# Altium PCB main - Copy.PcbDoc (part 2 of 14) (continued)
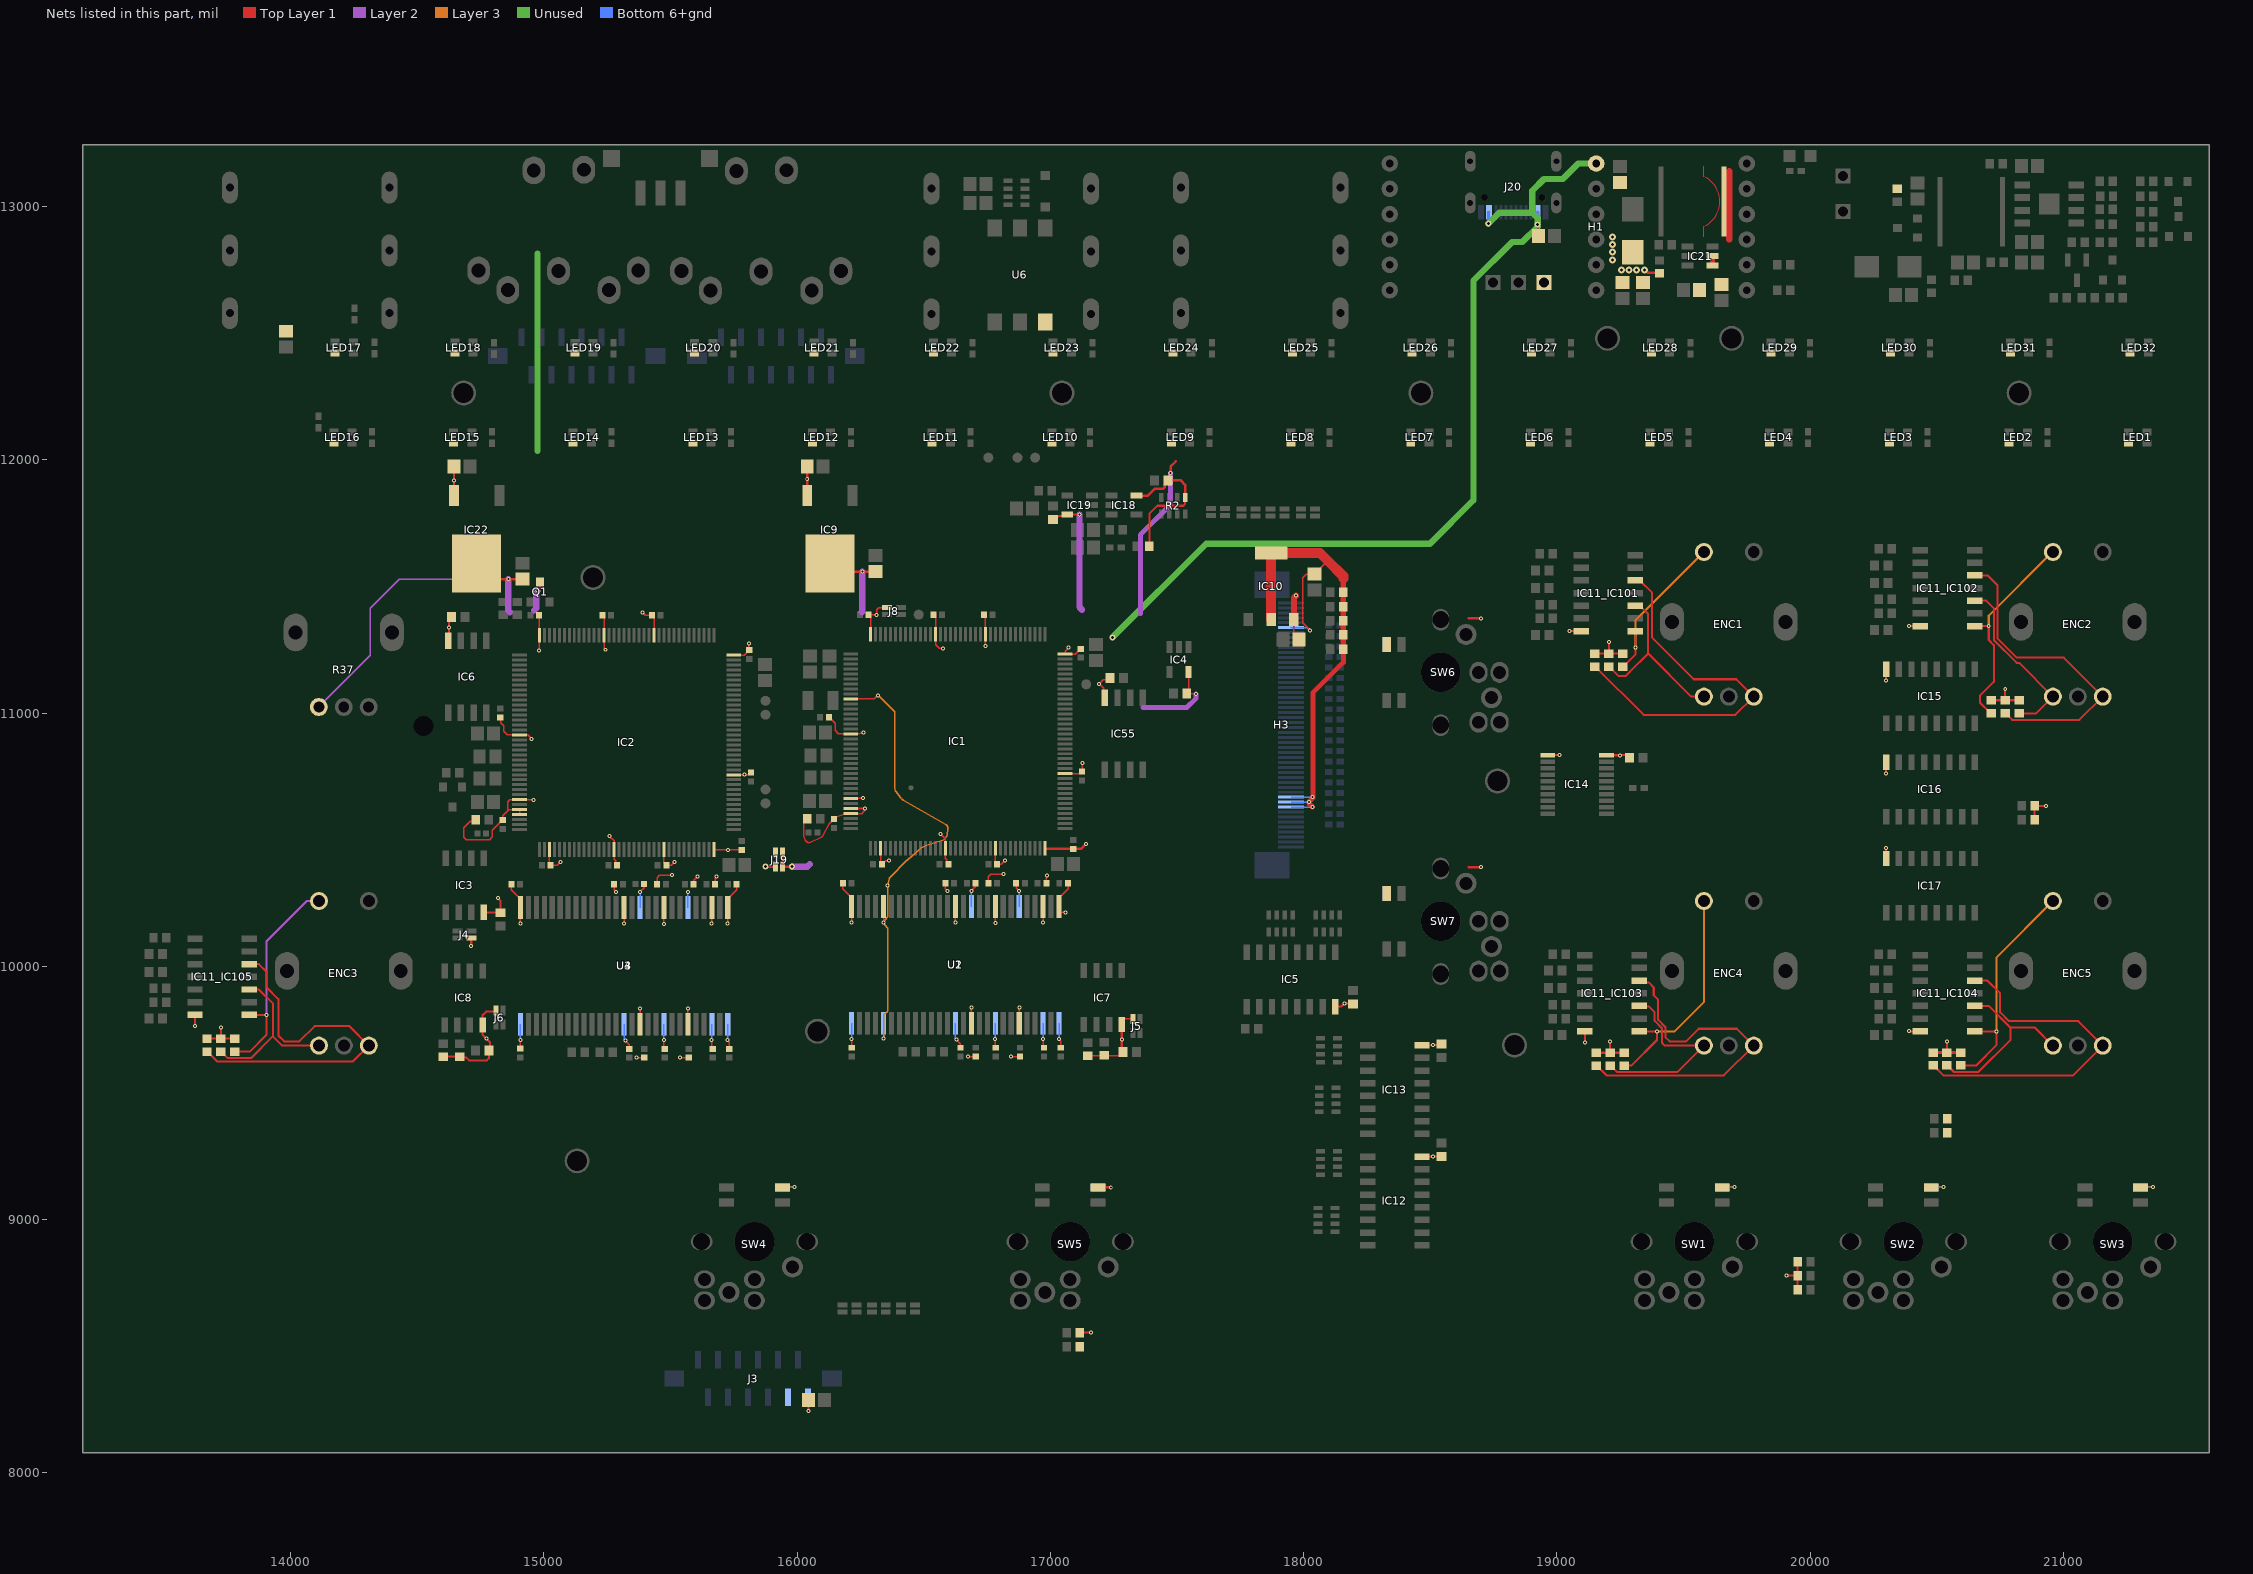
[diagram p6: the nets of this part, all layers, seen from the top]
## Part data (continued)
LED1 LED2 LED3 LED4 LED5 LED6 LED7 LED8 LED9 LED10 LED11 LED12 LED13 LED14 LED15 LED16 LED17 LED18 LED19 LED20 LED21 LED22 LED23 LED24 LED25 LED26 LED27 LED28 LED29 LED30 LED31 LED32: "Address LED"
PJ1 PJ2 PJ3: "6.3mm jack HOOYA"
Q1 Q2 Q4 Q5 Q6: "TRANS NPN 40V 0.2A SOT23-3", Current - Collector (Ic) (Max)="200 mA", Current - Collector Cutoff (Max)="50nA (ICBO)", DC Current Gain (hFE) (Min) @ Ic, Vce="100 @ 10mA, 1V", Frequency - Transition=300MHz, Manufacturer="Diodes Incorporated", Operating Temperature="-55°C ~ 150°C (TJ)", Package / Case="TO-236-3, SC-59, SOT-23-3", Power - Max="300 mW", Supplier Device Package=SOT-23-3, Supplier Part Number 1=MMBT3904-FDICT-ND, Voltage - Collector Emitter Breakdown (Max)="40 V", ComponentLink1Description=Datasheet, ComponentLink1URL=https://www.diodes.com/assets/Datasheets/ds30036.pdf, ComponentLink2Description="DigiKey Link", ComponentLink2URL=https://www.digikey.com/en/products/detail/diodes-incorporated/MMBT3904-7-F/814494, LastUpdated="2/8/2024 9:54:04 PM", Lifecycle Status=Active, Minimum Order=1, Mounting Type="Surface Mount", Packaging=TapeAndReel, Part Number=MMBT3904-7-F, Part Status=Active, PartId=85, Price=0.01, Series=-, Supplier 1=DigiKey, Transistor Type=NPN, Vce Saturation (Max) @ Ib, Ic="300mV @ 5mA, 50mA"
Q3: library part MMBT3906
R1 R2 R3 R4 R73 R74 R75 R77: "RES ARRAY 4 RES 100 OHM 1206", Manufacturer=Yageo, Number of Resistors=4, Operating Temperature="-55°C ~ 155°C", Package / Case="1206 (3216 Metric), Convex, Long Side Terminals", Power Per Element=62.5mW, Resistance (Ohms)=100, Supplier Part Number 1=YC164J-100CT-ND, Temperature Coefficient=±200ppm/°C, Tolerance=±5%, Applications="DDRAM, SDRAM", Circuit Type=Isolated, ComponentLink1Description=Datasheet, ComponentLink1URL=https://www.yageo.com/upload/media/product/productsearch/datasheet/rchip/PYu-YC_TC_group_51_RoHS_L_9.pdf, ComponentLink2Description="DigiKey Link", ComponentLink2URL=http://digikey.com/product-detail/en/yageo/YC164-JR-07100RL/YC164J-100CT-ND/1005656, Height - Seated (Max)="0.028\" (0.70mm)", LastUpdated="9/2/2020 1:23:24 AM", Lifecycle Status=Active, Minimum Order=1, Mounting Type="Surface Mount", Number of Pins=8, Packaging=TapeAndReel, Part Number=YC164-JR-07100RL, Part Status=Active, PartId=239, Price=0.01, Series=YC164, Size / Dimension="0.126\" L x 0.063\" W (3.20mm x 1.60mm)", Supplier 1=DigiKey
R5 R6 R7 R9 R10 R11 R12 R17 R19 R21 R38 R46 R47_IC101 R47_IC102 R47_IC103 R47_IC104 R47_IC105 R48_IC101 R48_IC102 R48_IC103 R48_IC104 R48_IC105 R49_IC101 R49_IC102 R49_IC103 R49_IC104 R49_IC105 R50 R72 R78 R79 R80 R81 R82 R83 R84 R85 R86 R106 R107 R109 R133 R134: library part ERJ-3EKF1002V, "RES SMD 10K OHM 1% 1/10W 0603", Device Package="0603 (1608 Metric)", Manufacturer="Panasonic Electronic Components", Operating Temperature="-55°C ~ 155°C", Power (Watts)="0.1W, 1/10W", Ratings=AEC-Q200, Supplier Device Package=0603, Supplier Part Number 1=P10.0KHCT-ND, Temperature Coefficient=±100ppm/°C, Tolerance=±1%, ComponentLink1Description=Datasheet, ComponentLink1URL=https://industrial.panasonic.com/cdbs/www-data/pdf/RDA0000/AOA0000C304.pdf, ComponentLink2Description="DigiKey Link", ComponentLink2URL=https://www.digikey.com/en/products/detail/panasonic-electronic-components/ERJ-3EKF1002V/196066, Composition="Thick Film", Features="Automotive AEC-Q200", Height - Seated (Max)="0.022\" (0.55mm)", LastUpdated="2/9/2024 8:41:59 PM", Lifecycle Status=Active, Minimum Order=1, Number of Terminations=2, Package / Case="0603 (1608 Metric)", Packaging=TapeAndReel, Part Number=ERJ-3EKF1002V, Part Status=Active, PartId=25695, Price=0.01, Resistance="10 kOhms", Series=ERJ-3EK, Size / Dimension="0.063\" L x 0.031\" W (1.60mm x 0.80mm)", Supplier 1=DigiKey
R8 R76 R87 R88 R89 R90 R91 R92 R93 R94 R95 R96 R97 R98 R99 R100 R101 R108 R110 R111 R112 R113 R114 R115 R116 R117 R118 R119 R120 R121 R122 R123 R124 R132: library part CRCW0402100RFKEE, "RES SMD 100 OHM 1% 1/16W 0402", Device Package="0402 (1005 Metric)", Manufacturer="Vishay Dale", Operating Temperature="-55°C ~ 155°C", Power (Watts)="0.063W, 1/16W", Ratings=AEC-Q200, Supplier Device Package=0402, Supplier Part Number 1=541-2953-1-ND, Temperature Coefficient=±100ppm/°C, Tolerance=±1%, ComponentLink1Description=Datasheet, ComponentLink1URL=http://www.vishay.com/docs/20035/dcrcwe3.pdf, ComponentLink2Description="DigiKey Link", ComponentLink2URL=https://www.digikey.com/en/products/detail/vishay-dale/CRCW0402100RFKEE/5069886, Composition="Thick Film", Features="Automotive AEC-Q200", Height - Seated (Max)="0.016\" (0.40mm)", LastUpdated="2/9/2024 8:30:05 PM", Lifecycle Status=Active, Minimum Order=1, Number of Terminations=2, Package / Case="0402 (1005 Metric)", Packaging=CutTape, Part Number=CRCW0402100RFKEE, Part Status=Active, PartId=6830, Price=0.01, Resistance="100 Ohms", Series=CRCW, Size / Dimension="0.039\" L x 0.020\" W (1.00mm x 0.50mm)", Supplier 1=DigiKey
R13 R14 R15 R16: library part RT0603DRE075K6L, "RES SMD 5.6K OHM 0.5% 1/10W 0603", Device Package="0603 (1608 Metric)", Manufacturer=Yageo, Operating Temperature="-55°C ~ 155°C", Power (Watts)="0.1W, 1/10W", Supplier Device Package=0603, Supplier Part Number 1=311-2635-1-ND, Temperature Coefficient=±50ppm/°C, Tolerance=±0.5%, ComponentLink1Description=Datasheet, ComponentLink1URL=https://www.yageo.com/upload/media/product/productsearch/datasheet/rchip/PYu-RT_1-to-0.01_RoHS_L_11.pdf, ComponentLink2Description="DigiKey Link", ComponentLink2URL=http://digikey.com/product-detail/en/yageo/RT0603DRE075K6L/311-2635-1-ND/6129054, Composition="Thin Film", Height - Seated (Max)="0.022\" (0.55mm)", LastUpdated="9/2/2020 1:10:05 AM", Lifecycle Status=Active, Minimum Order=1, Number of Terminations=2, Package / Case="0603 (1608 Metric)", Packaging=TapeAndReel, Part Number=RT0603DRE075K6L, Part Status=Active, PartId=14197, Price=0.01, Resistance="5.6 kOhms", Series=RT, Size / Dimension="0.063\" L x 0.031\" W (1.60mm x 0.80mm)", Supplier 1=DigiKey
R18 R135 R136: library part RCA06030000ZSEA, "RES SMD 0 OHM JUMPER 1/10W 0603", Device Package="0603 (1608 Metric)", Manufacturer="Vishay Dale", Operating Temperature="-55°C ~ 155°C", Power (Watts)="0.1W, 1/10W", Ratings=AEC-Q200, Supplier Device Package=0603, Supplier Part Number 1=541-2192-1-ND, Tolerance=Jumper, ComponentLink1Description=Datasheet, ComponentLink1URL=http://www.vishay.com/docs/20037/rcae3.pdf, ComponentLink2Description="DigiKey Link", ComponentLink2URL=http://digikey.com/product-detail/en/vishay-dale/RCA06030000ZSEA/541-2192-1-ND/4946845, Composition="Thick Film", Features="Anti-Sulfur, Automotive AEC-Q200", Height - Seated (Max)="0.020\" (0.50mm)", LastUpdated="9/2/2020 1:10:23 AM", Lifecycle Status=Active, Minimum Order=1, Number of Terminations=2, Package / Case="0603 (1608 Metric)", Packaging=TapeAndReel, Part Number=RCA06030000ZSEA, Part Status=Active, PartId=5740, Price=0.01, Series=RCA, Size / Dimension="0.061\" L x 0.033\" W (1.55mm x 0.85mm)", Supplier 1=DigiKey
R20 R52 R127: library part CRCW06031K00FKEB, "RES SMD 1K OHM 1% 1/10W 0603", Device Package="0603 (1608 Metric)", Manufacturer="Vishay Dale", Operating Temperature="-55°C ~ 155°C", Power (Watts)="0.1W, 1/10W", Ratings=AEC-Q200, Supplier Device Package=0603, Supplier Part Number 1=541-2985-1-ND, Temperature Coefficient=±100ppm/°C, Tolerance=±1%, ComponentLink1Description=Datasheet, ComponentLink1URL=http://www.vishay.com/docs/20035/dcrcwe3.pdf, ComponentLink2Description="DigiKey Link", ComponentLink2URL=https://www.digikey.com/en/products/detail/vishay-dale/CRCW06031K00FKEB/5071169, Composition="Thick Film", Features="Automotive AEC-Q200", Height - Seated (Max)="0.020\" (0.50mm)", LastUpdated="2/9/2024 8:43:36 PM", Lifecycle Status=Active, Minimum Order=1, Number of Terminations=2, Package / Case="0603 (1608 Metric)", Packaging=CutTape, Part Number=CRCW06031K00FKEB, Part Status=Active, PartId=5123, Price=0.01, Resistance="1 kOhms", Series=CRCW, Size / Dimension="0.063\" L x 0.033\" W (1.60mm x 0.85mm)", Supplier 1=DigiKey
R22 R23 R24 R25 R26 R27 R28 R29 R30 R31 R32 R33 R34 R35 R36: library part ERJ-3EKF1002V, "RES SMD 10K OHM 1% 1/10W 0603", Part Number=ERJ-3EKF1002V
R37: library part "POT 9MM 100K"
R39: library part ERJ-U03F7501V, "RES 7.5K OHM 1% 1/10W 0603 SMD", Device Package="0603 (1608 Metric)", Manufacturer="Panasonic Electronic Components", Operating Temperature="-55°C ~ 155°C", Power (Watts)="0.1W, 1/10W", Ratings=AEC-Q200, Supplier Device Package=0603, Supplier Part Number 1=10-ERJ-U03F7501VCT-ND, Temperature Coefficient=±100ppm/°C, Tolerance=±1%, ComponentLink1Description=Datasheet, ComponentLink1URL=https://industrial.panasonic.com/cdbs/www-data/pdf/RDP0000/AOA0000C334.pdf, ComponentLink2Description="DigiKey Link", ComponentLink2URL=https://www.digikey.com/en/products/detail/panasonic-electronic-components/ERJ-U03F7501V/11625704, Composition="Thick Film", Features="Anti-Sulfur, Automotive AEC-Q200", Height - Seated (Max)="0.022\" (0.55mm)", LastUpdated="2/9/2024 8:41:38 PM", Lifecycle Status=Active, Minimum Order=1, Number of Terminations=2, Package / Case="0603 (1608 Metric)", Packaging=TapeAndReel, Part Number=ERJ-U03F7501V, Part Status=Active, PartId=63936, Price=0.01, Resistance="7.5 kOhms", Series=ERJ-U03, Size / Dimension="0.063\" L x 0.031\" W (1.60mm x 0.80mm)", Supplier 1=DigiKey
R40 R41 R54 R55 R56 R57 R58 R59 R60 R61 R62 R63 R64 R65 R66 R67 R68 R69 R70 R71 R104: library part RMCF0402JT22R0, "RES 22 OHM 5% 1/16W 0402", Device Package="0402 (1005 Metric)", Manufacturer="Stackpole Electronics Inc", Operating Temperature="-55°C ~ 155°C", Power (Watts)="0.063W, 1/16W", Ratings=AEC-Q200, Supplier Device Package=0402, Supplier Part Number 1=RMCF0402JT22R0CT-ND, Temperature Coefficient=±100ppm/°C, Tolerance=±5%, ComponentLink1Description=Datasheet, ComponentLink1URL=https://www.seielect.com/catalog/sei-rmcf_rmcp.pdf, ComponentLink2Description="DigiKey Link", ComponentLink2URL=https://www.digikey.com/en/products/detail/stackpole-electronics-inc/RMCF0402JT22R0/1758165, Composition="Thick Film", Features="Automotive AEC-Q200", Height - Seated (Max)="0.016\" (0.40mm)", LastUpdated="2/9/2024 8:30:03 PM", Lifecycle Status=Active, Minimum Order=1, Number of Terminations=2, Package / Case="0402 (1005 Metric)", Packaging=CutTape, Part Number=RMCF0402JT22R0, Part Status=Active, PartId=7671, Price=0.01, Resistance="22 Ohms", Series=RMCF, Size / Dimension="0.039\" L x 0.020\" W (1.00mm x 0.50mm)", Supplier 1=DigiKey
R42 R43 R44 R45 R102 R103 R105: library part ERJ-PA3F10R0V, "RES SMD 10 OHM 1% 1/3W 0603", Device Package="0603 (1608 Metric)", Manufacturer="Panasonic Electronic Components", Operating Temperature="-55°C ~ 155°C", Power (Watts)="0.333W, 1/3W", Ratings=AEC-Q200, Supplier Device Package=0603, Supplier Part Number 1=P10.00BYCT-ND, Temperature Coefficient=±100ppm/°C, Tolerance=±1%, ComponentLink1Description=Datasheet, ComponentLink1URL=https://industrial.panasonic.com/cdbs/www-data/pdf/RDO0000/AOA0000C331.pdf, ComponentLink2Description="DigiKey Link", ComponentLink2URL=https://www.digikey.com/en/products/detail/panasonic-electronic-components/ERJ-PA3F10R0V/5035852, Composition="Thick Film", Features="Automotive AEC-Q200, Pulse Withstanding", Height - Seated (Max)="0.022\" (0.55mm)", Lifecycle Status=Active, Minimum Order=1, Number of Terminations=2, Package / Case="0603 (1608 Metric)", Packaging=TapeAndReel, Part Number=ERJ-PA3F10R0V, Part Status=Active, PartId=5368, Price=0.01, Resistance="10 Ohms", Series=ERJ-PA3, Size / Dimension="0.063\" L x 0.031\" W (1.60mm x 0.80mm)", Supplier 1=DigiKey
  R42 R102 R103 R105: LastUpdated="2/9/2024 8:43:35 PM"
  R43 R44 R45: LastUpdated="9/16/2023 7:33:50 PM"
R51: library part CRCW06032K70FKEAC, "RES 2.7K OHM 1% 1/10W 0603", Device Package="0603 (1608 Metric)", Manufacturer="Vishay Dale", Operating Temperature="-55°C ~ 155°C", Power (Watts)="0.1W, 1/10W", Supplier Device Package=0603, Supplier Part Number 1=541-5328-1-ND, Temperature Coefficient=±100ppm/°C, Tolerance=±1%, ComponentLink1Description=Datasheet, ComponentLink1URL=http://www.vishay.com/docs/28773/crcwce3.pdf, ComponentLink2Description="DigiKey Link", ComponentLink2URL=https://www.digikey.com/en/products/detail/vishay-dale/CRCW06032K70FKEAC/7924071, Composition="Thick Film", Height - Seated (Max)="0.022\" (0.55mm)", LastUpdated="2/9/2024 8:41:45 PM", Lifecycle Status=Active, Minimum Order=1, Number of Terminations=2, Package / Case="0603 (1608 Metric)", Packaging=TapeAndReel, Part Number=CRCW06032K70FKEAC, Part Status=Active, PartId=56540, Price=0.01, Resistance="2.7 kOhms", Series=CRCW-C, Size / Dimension="0.063\" L x 0.031\" W (1.60mm x 0.80mm)", Supplier 1=DigiKey
R53: library part ERJ-U03F2R00V, "RES 2 OHM 1% 1/10W 0603 SMD", Device Package="0603 (1608 Metric)", Manufacturer="Panasonic Electronic Components", Operating Temperature="-55°C ~ 155°C", Power (Watts)="0.1W, 1/10W", Ratings=AEC-Q200, Supplier Device Package=0603, Supplier Part Number 1=10-ERJ-U03F2R00VCT-ND, Temperature Coefficient="-100/ +600ppm/°C", Tolerance=±1%, ComponentLink1Description=Datasheet, ComponentLink1URL=https://industrial.panasonic.com/cdbs/www-data/pdf/RDP0000/AOA0000C334.pdf, ComponentLink2Description="DigiKey Link", ComponentLink2URL=https://www.digikey.com/en/products/detail/panasonic-electronic-components/ERJ-U03F2R00V/11636045, Composition="Thick Film", Features="Anti-Sulfur, Automotive AEC-Q200", Height - Seated (Max)="0.022\" (0.55mm)", LastUpdated="2/9/2024 8:41:34 PM", Lifecycle Status=Active, Minimum Order=1, Number of Terminations=2, Package / Case="0603 (1608 Metric)", Packaging=TapeAndReel, Part Number=ERJ-U03F2R00V, Part Status=Active, PartId=63339, Price=0.01, Resistance="2 Ohms", Series=ERJ-U03, Size / Dimension="0.063\" L x 0.031\" W (1.60mm x 0.80mm)", Supplier 1=DigiKey
R125: library part RLT0816-C-R500-FNH, "RES 0.5 OHM 1% 1/10W 0603", Device Package="0603 (1608 Metric)", Manufacturer="Delta Electronics/Cyntec", Operating Temperature="-55°C ~ 125°C", Power (Watts)="0.1W, 1/10W", Supplier Device Package=0603, Supplier Part Number 1=2037-RLT0816-C-R500-FNHCT-ND, Temperature Coefficient=±200ppm/°C, Tolerance=±1%, ComponentLink2Description="DigiKey Link", ComponentLink2URL=https://www.digikey.com/en/products/detail/delta-electronics-cyntec/RLT0816-C-R500-FNH/9762162, Composition="Thick Film", Height - Seated (Max)="0.022\" (0.55mm)", LastUpdated="2/9/2024 8:41:44 PM", Lifecycle Status=Active, Minimum Order=1, Number of Terminations=2, Package / Case="0603 (1608 Metric)", Packaging=TapeAndReel, Part Number=RLT0816-C-R500-FNH, Part Status=Active, PartId=56414, Price=0.11, Resistance="500 mOhms", Series=RLT0816, Size / Dimension="0.063\" L x 0.031\" W (1.60mm x 0.80mm)", Supplier 1=DigiKey
R126: library part CRCW06031K00FKEB, "RES SMD 1K OHM 1% 1/10W 0603", Device Package="0603 (1608 Metric)", Manufacturer="Vishay Dale", Operating Temperature="-55°C ~ 155°C", Power (Watts)="0.1W, 1/10W", Ratings=AEC-Q200, Resistance="1 kOhms", Supplier Device Package=0603, Supplier Part Number 1=541-2985-1-ND, Temperature Coefficient=±100ppm/°C, Tolerance=±1%, ComponentLink1Description=Datasheet, ComponentLink1URL=http://www.vishay.com/docs/20035/dcrcwe3.pdf, ComponentLink2Description="DigiKey Link", ComponentLink2URL=https://www.digikey.com/en/products/detail/vishay-dale/CRCW06031K00FKEB/5071169, Composition="Thick Film", Features="Automotive AEC-Q200", Height - Seated (Max)="0.020\" (0.50mm)", LastUpdated="2/9/2024 8:43:36 PM", Lifecycle Status=Active, Minimum Order=1, Number of Terminations=2, Package / Case="0603 (1608 Metric)", Packaging=CutTape, Part Number=CRCW06031K00FKEB, Part Status=Active, PartId=5123, Price=0.01, Series=CRCW, Size / Dimension="0.063\" L x 0.033\" W (1.60mm x 0.85mm)", Supplier 1=DigiKey
R128 R131: library part RMCF0603FT51K0, "RES 51K OHM 1% 1/10W 0603", Device Package="0603 (1608 Metric)", Manufacturer="Stackpole Electronics Inc", Operating Temperature="-55°C ~ 155°C", Power (Watts)="0.1W, 1/10W", Ratings=AEC-Q200, Supplier Device Package=0603, Supplier Part Number 1=RMCF0603FT51K0CT-ND, Temperature Coefficient=±100ppm/°C, Tolerance=±1%, ComponentLink1Description=Datasheet, ComponentLink1URL=https://www.seielect.com/catalog/sei-rmcf_rmcp.pdf, ComponentLink2Description="DigiKey Link", ComponentLink2URL=https://www.digikey.com/en/products/detail/stackpole-electronics-inc/RMCF0603FT51K0/1760867, Composition="Thick Film", Features="Automotive AEC-Q200", Height - Seated (Max)="0.022\" (0.55mm)", LastUpdated="2/9/2024 8:43:14 PM", Lifecycle Status=Active, Minimum Order=1, Number of Terminations=2, Package / Case="0603 (1608 Metric)", Packaging=CutTape, Part Number=RMCF0603FT51K0, Part Status=Active, PartId=10630, Price=0.01, Resistance="51 kOhms", Series=RMCF, Size / Dimension="0.061\" L x 0.031\" W (1.55mm x 0.80mm)", Supplier 1=DigiKey
R129: library part RMCF0603JG330K, "RES 330K OHM 5% 1/10W 0603", Device Package="0603 (1608 Metric)", Manufacturer="Stackpole Electronics Inc", Operating Temperature="-55°C ~ 155°C", Power (Watts)="0.1W, 1/10W", Ratings=AEC-Q200, Supplier Device Package=0603, Supplier Part Number 1=RMCF0603JG330KCT-ND, Temperature Coefficient=±200ppm/°C, Tolerance=±5%, ComponentLink1Description=Datasheet, ComponentLink1URL=https://www.seielect.com/catalog/sei-packaging.pdf, ComponentLink2Description="DigiKey Link", ComponentLink2URL=https://www.digikey.com/en/products/detail/stackpole-electronics-inc/RMCF0603JG330K/6053782, Composition="Thick Film", Features="Automotive AEC-Q200", Height - Seated (Max)="0.022\" (0.55mm)", LastUpdated="2/9/2024 8:42:36 PM", Lifecycle Status=Active, Minimum Order=1, Number of Terminations=2, Package / Case="0603 (1608 Metric)", Packaging=CutTape, Part Number=RMCF0603JG330K, Part Status=Active, PartId=20312, Price=0.01, Resistance="330 kOhms", Series=RMCF, Size / Dimension="0.061\" L x 0.031\" W (1.55mm x 0.80mm)", Supplier 1=DigiKey
R130: library part CRCW0603220KFKEAC, "RES 220K OHM 1% 1/10W 0603", Device Package="0603 (1608 Metric)", Manufacturer="Vishay Dale", Operating Temperature="-55°C ~ 155°C", Power (Watts)="0.1W, 1/10W", Supplier Device Package=0603, Supplier Part Number 1=541-4039-1-ND, Temperature Coefficient=±100ppm/°C, Tolerance=±1%, ComponentLink1Description=Datasheet, ComponentLink1URL=http://www.vishay.com/docs/28773/crcwce3.pdf, ComponentLink2Description="DigiKey Link", ComponentLink2URL=https://www.digikey.com/en/products/detail/vishay-dale/CRCW0603220KFKEAC/7928461, Composition="Thick Film", Height - Seated (Max)="0.022\" (0.55mm)", LastUpdated="2/9/2024 8:41:57 PM", Lifecycle Status=Active, Minimum Order=1, Number of Terminations=2, Package / Case="0603 (1608 Metric)", Packaging=TapeAndReel, Part Number=CRCW0603220KFKEAC, Part Status=Active, PartId=25953, Price=0.01, Resistance="220 kOhms", Series=CRCW-C, Supplier 1=DigiKey
S1: "SWITCH SLIDE SPDT 0.4VA 28V", Current Rating (Amps)="0.4VA (AC/DC)", Manufacturer="NKK Switches", Operating Temperature="-25°C ~ 85°C", Supplier Part Number 1=360-2924-1-ND, Voltage Rating - AC=28V, Actuator Length=2.00mm, Actuator Type=Standard, Circuit=SPDT, ComponentLink1Description=Datasheet, ComponentLink1URL=http://www.nkkswitches.com/pdf/SS3surfaceMount-1.pdf, ComponentLink2Description="DigiKey Link", ComponentLink2URL=http://digikey.com/product-detail/en/nkk-switches/SS312SAH4-R/360-2924-1-ND/1051215, Contact Finish=Gold, Contact Material="Phosphor Bronze", Contact Timing="Shorting (MBB)", LastUpdated="1/4/2020 7:10:14 PM", Lifecycle Status=Active, Minimum Order=1, Mounting Type="Surface Mount, Right Angle", Packaging=TapeAndReel, Part Number=SS312SAH4-R, Part Status=Active, PartId=1, Price=1.95, Series=SS3, Supplier 1=DigiKey, Switch Function=On-On, Termination Style="Gull Wing", Voltage Rating - DC=28V
SW1 SW2 SW3 SW4 SW5 SW6 SW7: library part Kailh_hotswap_RGB_SMD, "Kailh keyboard switch, hotswap rgb, dual-side hotswap options + low prifile variant"
TP1 TP2 TP3 TP4 TP5 TP6 TP7 TP8 TP9 TP10 TP11 TP12 TP13 TP14 TP15 TP16: library part TestPoint
U6: library part H11L1SR2M, "OPTOISO 4.17KV OPN COLL 6SMD"
Y1 Y2: library part NX3225SA-24MHZ-EXS00A-CS07532, "CRYSTAL 24MHZ 9PF SMD", ESR (Equivalent Series Resistance)="100 Ohms", Load Capacitance=9pF, Manufacturer="NDK America, Inc.", Operating Mode=Fundamental, Operating Temperature="-40°C ~ 150°C", Package / Case="4-SMD, No Lead", Ratings=AEC-Q200, Supplier Part Number 1=644-1393-1-ND, ComponentLink2Description="DigiKey Link", ComponentLink2URL=http://digikey.com/product-detail/en/ndk-america-inc/NX3225SA-24MHZ-EXS00A-CS07532/644-1393-1-ND/9172121, Frequency=24MHz, Height - Seated (Max)="0.024\" (0.60mm)", LastUpdated="9/2/2020 1:21:59 AM", Lifecycle Status=Active, Minimum Order=1, Mounting Type="Surface Mount", Packaging=TapeAndReel, Part Number=NX3225SA-24MHZ-EXS00A-CS07532, Part Status=Active, PartId=571, Price=0.38, Series=NX3225SA, Size / Dimension="0.126\" L x 0.098\" W (3.20mm x 2.50mm)", Supplier 1=DigiKey, Type="MHz Crystal"
Y3: "Crystal or Oscillator", Manufacturer_Name=ABRACON, Mouser Part Number=815-ABS07-32.768K7T, Arrow Part Number=ABS07-32.768KHZ-7-T, Arrow Price/Stock=https://www.arrow.com/en/products/abs07-32.768khz-7-t/abracon?region=nac, Datasheet Link=https://abracon.com/Resonators/ABS07.pdf, Height=0.9mm, Manufacturer_Part_Number=ABS07-32.768KHZ-7-T, Mouser Price/Stock=https://www.mouser.co.uk/ProductDetail/ABRACON/ABS07-32.768KHZ-7-T?qs=2nyfZ6BV3oibNEFok2qBLA%3D%3D
H3: System=Connector

## Free pads (board coordinates)
  round 0 hole 78.74 slot 1062.99 at 90 deg: 7(14525,10948.82)
  round 98.43 hole 78.74: 7(16080,9743.82)

## Via types
v1: diameter 15.75, hole 7.87, Top Layer 1 to Bottom 6+gnd, tented both sides, 830 vias
v2: diameter 27.56, hole 11.81, Top Layer 1 to Bottom 6+gnd, 45 vias
v3: diameter 23.62/23.62/23.62/23.62/23.62/23.62/23.62 (per signal layer), hole 12, Top Layer 1 to Bottom 6+gnd, tented top, 12 vias
v4: diameter 15.75, hole 7.87, Top Layer 1 to Bottom 6+gnd, 10 vias
v5: diameter 23.62/23.62/23.62/23.62/23.62/23.62/23.62 (per signal layer), hole 12, Top Layer 1 to Bottom 6+gnd, tented bottom, 6 vias

## Nets (pads, with @x,y where several pads share a name; then routed paths per layer and width w, separated by ;. In a path a pad name is that pad's centre, name@x,y a point inside that pad or via, vN(x,y) a via of type N, cw(c..) or ccw(c..) an arc to the next point about the centre after c; other vN are vias at no path point)
3V_LCD: C74.2 H3.9 H3.10 H3.11 H3.45 IC10.2 IC10.4 R42.2 R43.2 R44.2 R45.2 R46.2 | length 2291.2
  Top Layer 1 w5: 17871.42,11445.71 17876.42,11440.71 ; v1(18025.42,11326.98) 17996.42,11355.99 17996.42,11415.71 17996.42,11535.24 18009.88,11548.7 C74.2@18042.4,11548.7 18044.37,11548.7 18067.46,11571.79 18067.46,11573.76 18093.92,11600.22 18093.92,11603.21 ; R46.2@18156.6,11251.98 R42.2@18156.6,11310.32
  Top Layer 1 w20: v1(18034.63,10629) 18020.57,10643.06 v1(18020.57,10648.74) 18036.42,10664.6 18036.42,11080.71 18156.6,11200.89 R46.2@18156.6,11251.98 18156.42,11252.17 18156.42,11477.17 18156.42,11530.71
  Top Layer 1 w39.37: IC10.2@17871.42,11368.82 17871.42,11445.71 IC10.4@17871.42,11632.6 18064.53,11632.6 18093.92,11603.21 18156.42,11540.71 18156.42,11530.71
  Bottom 6+gnd w5: H3.45@17950,11337.2 18010.36,11337.2 cw(c18010.36,11332.2) 18013.4,11336.18 v1(18025.42,11326.98) ; H3.9@17950.69,10628.77 18016.75,10628.77 ccw(c18016.75,10633.78) 18016.81,10628.78 v1(18034.63,10629) ; H3.11@17950.69,10668.14 18016.75,10668.14 ccw(c18016.75,10673.15) 18016.81,10668.15 v1(18034.63,10668.37) ; H3.10@17950.98,10648.49 17998.68,10648.74 v1(18020.57,10648.74)
+5V: C66.2 C70.2 C72.2 C73.2 C75.2 C76.2 C82.2 C83.2 C84.2 C85.2 C89.2 C91.2 D3.2 IC5.16 IC9.3 IC10.3 IC11_IC101.14 IC11_IC102.14 IC11_IC103.14 IC11_IC104.14 IC11_IC105.14 IC12.16 IC13.16 IC14.1 IC14.20 IC15.16 IC16.16 IC17.16 IC22.3 J3.10 J3.12 LED1.4 LED2.4 LED3.4 LED4.4 LED5.4 LED6.4 LED7.4 LED8.4 LED9.4 LED10.4 LED11.4 LED12.4 LED13.4 LED14.4 LED15.4 LED16.4 LED17.4 LED18.4 LED19.4 LED20.4 LED21.4 LED22.4 LED23.4 LED24.4 LED25.4 LED26.4 LED27.4 LED28.4 LED29.4 LED30.4 LED31.4 LED32.4 R17.2 R22.2 R23.2 R24.2 R25.2 R26.2 R27.2 R28.2 R29.2 R30.2 R31.2 R32.2 R33.2 R34.2 R35.2 R36.2 R78.2 R79.2 R80.2 R81.2 R82.2 R83.2 R84.2 R85.2 R86.2 SW1.3 SW2.3 SW3.3 SW4.3 SW5.3 SW6.3 SW7.3 TP13.1 | length 2989.4
  Top Layer 1 w5: SW4.3@15941.62,9126.65 15943.79,9128.82 v1(15990,9128.82) ; IC10.3@17961.58,11368.82 17961.58,11310.55 C76.2@17981.42,11290.71 ; IC13.16@18467.28,9688.82 18540,9688.82 C82.2@18545,9693.82 ; SW1.3@19652.85,9126.65 19655.02,9128.82 v1(19701.23,9128.82) ; SW2.3@20477.96,9126.65 20480.13,9128.82 v1(20526.34,9128.82) ; SW3.3@21304.73,9126.65 21306.9,9128.82 v1(21353.11,9128.82)
  Top Layer 1 w8: v1@13622.72,9764.65 IC11_IC105.14@13622.72,9808.82 ; R31.2@13670,9714.41 R28.2@13725,9714.41 ; v1@13725,9758.58 R28.2@13725,9714.41 ; R34.2@13780,9714.41 R28.2@13725,9714.41 ; IC22.3@14645,11873.82 v1@14645,11917.99 ; C75.2@14645,11973.82 14645.16,11973.66 v1(14645.16,11918.15) ; IC9.3@16040,11873.82 v1(16040,11923.82) C72.2@16040,11973.82 ; v1@16045,8244.65 C85.2@16045,8288.82 ; R78.2@17115.59,8553.82 v1@17159.76,8553.82 ; IC5.16@18125,9841.54 18148.23,9841.54 v1(18160.67,9853.98) ; v1@18160.83,9853.82 C66.2@18205,9853.82 ; IC12.16@18466.05,9249.35 v1@18510.22,9249.35 ; v1(18510.38,9249.19) 18544.45,9249.19 C83.2@18545,9249.74 ; v1@18510.83,9688.82 C82.2@18555,9688.82 ; IC14.1@18964.33,10833.98 v1(19009.33,10833.98) ; v1(19050.43,11323.82) IC11_IC101.14@19095.43,11323.82 ; v1@19110.43,9699.65 IC11_IC103.14@19110.43,9743.82 ; R24.2@19150,11235 R22.2@19205,11235 ; IC14.20@19195.67,10833.98 19271.85,10833.98 C73.2@19282.01,10823.82 ; IC14.20@19204.26,10832.94 v1(19249.26,10832.94) ; v1(19205,11280) R22.2@19205,11235 ; R29.2@19210,9659.41 v1@19210,9703.58 ; R26.2@19260,11234.41 19259.41,11235 R22.2@19205,11235 ; v1@19905.83,8778.82 R84.2@19950,8778.82 ; R85.2@19950,8723.82 R84.2@19950,8778.82 ; R83.2@19962.85,8848.52 19962.73,8848.52 19950,8835.79 R83.2@19950,8833.82 R84.2@19950,8778.82 ; IC17.16@20300,10423.82 v1@20300,10467.99 ; v1@20300,10761.93 IC16.16@20300,10806.1 ; v1@20300,11129.65 IC15.16@20300,11173.82 ; v1@20390.83,9743.82 IC11_IC104.14@20435,9743.82 ; v1@20390.83,11343.82 IC11_IC102.14@20435,11343.82 ; R30.2@20540,9660 v1@20540,9704.17 ; R25.2@20770,11050 v1@20770,11094.17 ; R80.2@20886.18,10578.82 R81.2@20886.18,10633.82 v1@20930.35,10633.82
  Top Layer 1 w10: SW5.3@17189.38,9127.73 17238.22,9127.73 v1(17238.36,9127.59) ; IC13.16@18467.28,9688.82 IC13.16@18472.28,9693.82 ; 18651.57,10391.75 18700.41,10391.75 v1(18700.56,10391.6) ; 18651.57,11374.34 18700.41,11374.34 v1(18700.56,11374.19) ; R32.2@19155,9659.41 R29.2@19210,9659.41 R35.2@19265,9659.41 ; 19357.8,12739.99 19358.98,12738.81 R17.2@19407.8,12738.81 ; R33.2@20485,9660 R36.2@20595,9660 ; R27.2@20715,11050 R25.2@20770,11050 R23.2@20825,11050
  Top Layer 1 w25: IC10.3@17961.58,11368.82 17961.58,11455.39 v1(17970,11463.82)
  Bottom 6+gnd w5: SW4.3@15941.62,9126.65 15943.79,9128.82 v1(15990,9128.82) ; SW5.3@17188.3,9126.65 17190.47,9128.82 v1@17236.68,9128.82 ; SW1.3@19652.85,9126.65 19655.02,9128.82 v1(19701.23,9128.82) ; SW2.3@20477.96,9126.65 20480.13,9128.82 v1(20526.34,9128.82) ; SW3.3@21304.73,9126.65 21306.9,9128.82 v1(21353.11,9128.82)